# KiCad board temp sensor_panel.kicad_pcb (continued)
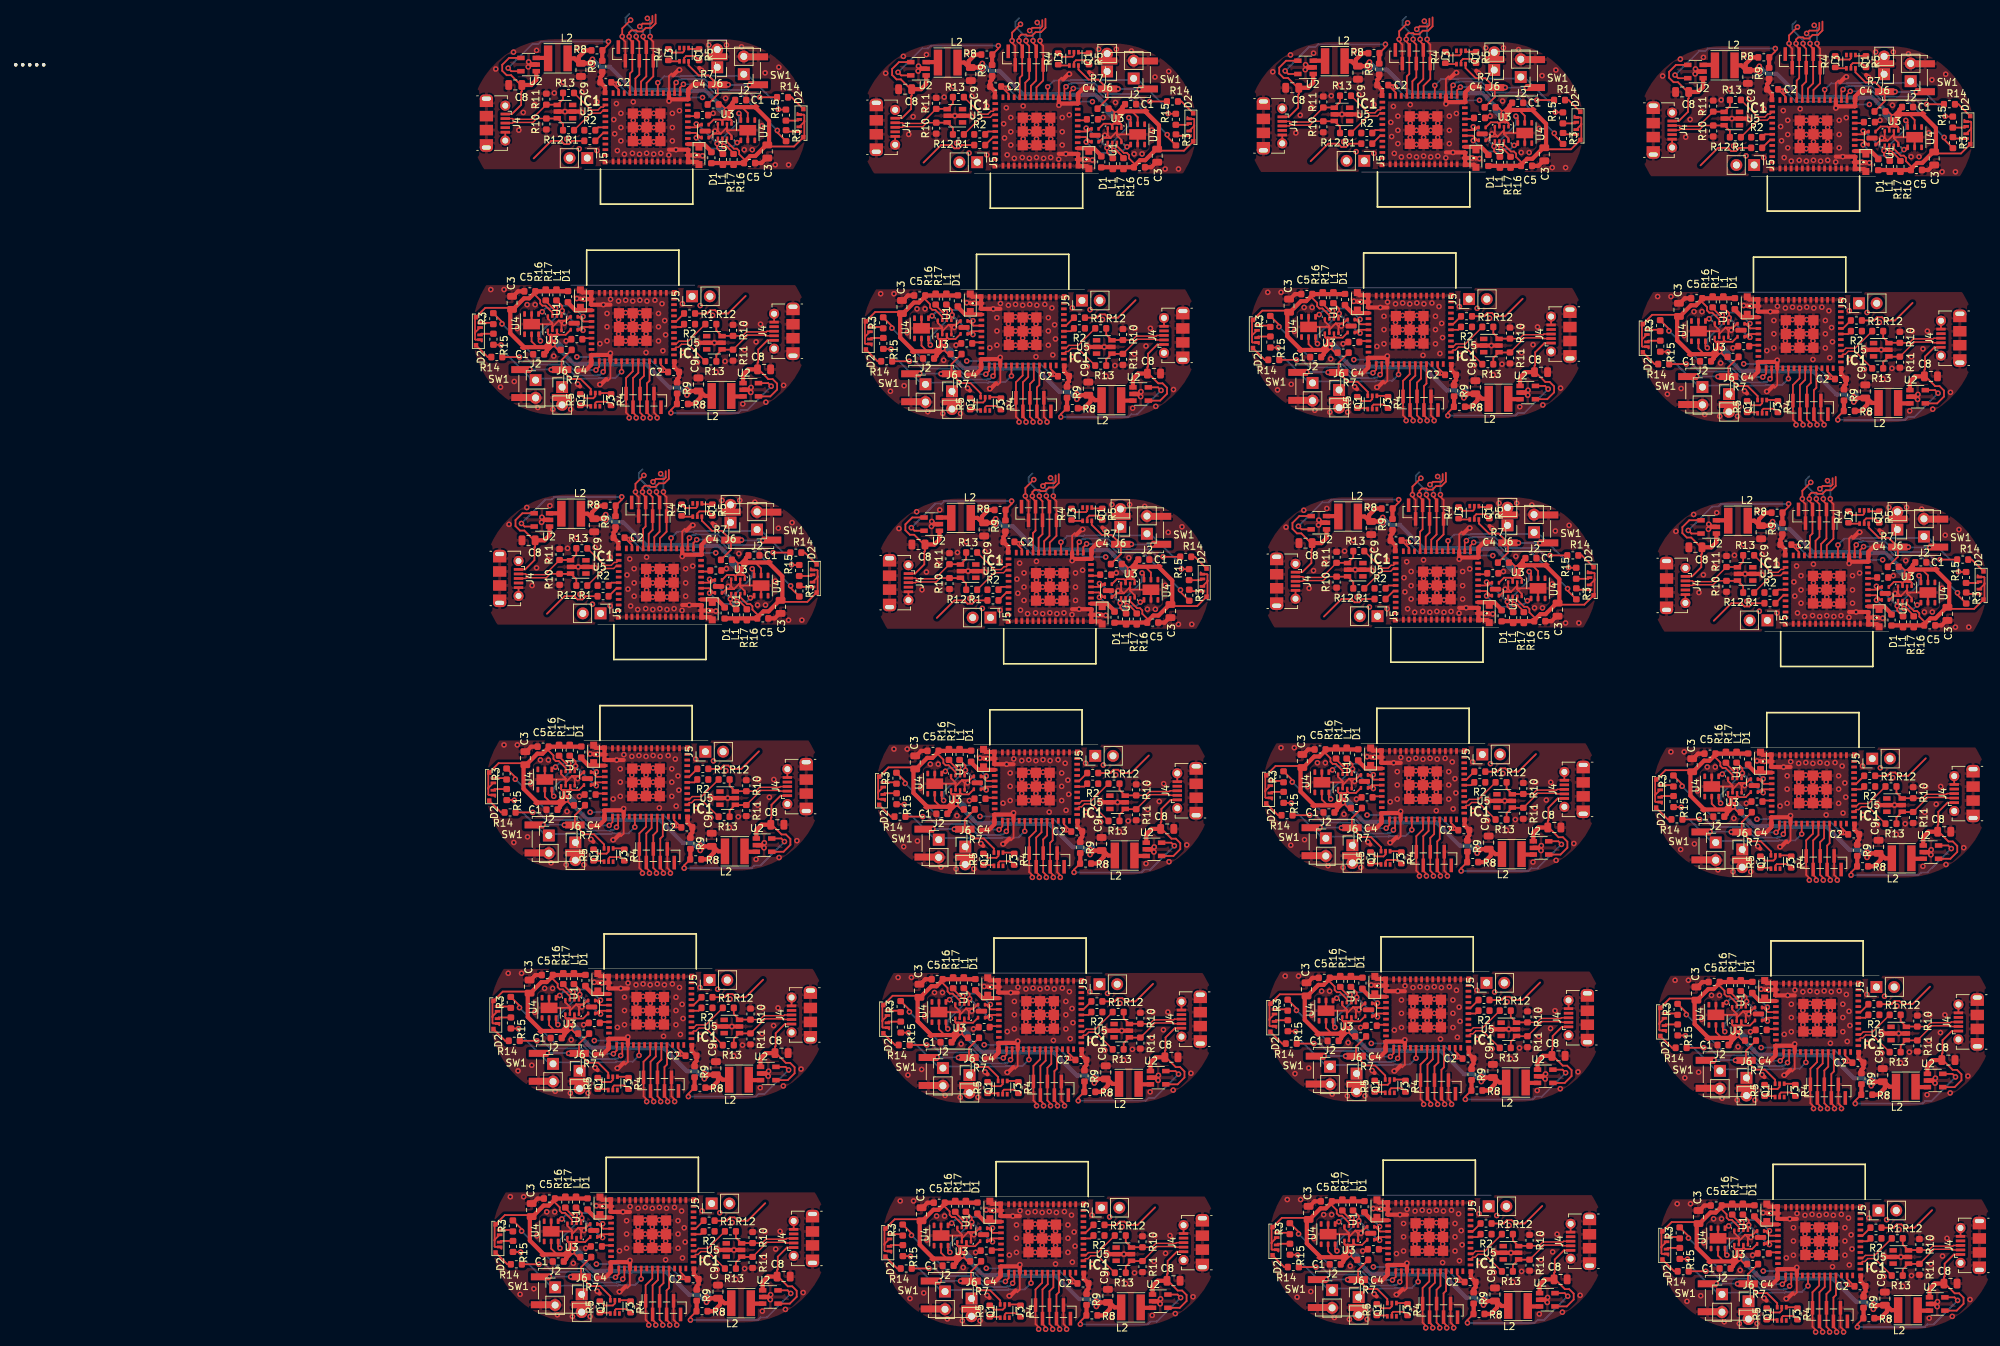
[diagram p0: board, top side]
## Routing (per net, layer and track width the routed paths; a pad name or vN(x,y) marks a point on that pad's centre or on a via; arc(x,y) is an arc through that point) (continued)
+5V: length 418.4
  Top w0.25: 27.5,114.96 U2.4 28.57,114.96 29.55,115.95 29.55,116.8 28.92,117.44 28.29,117.44 26.75,118.98 26.75,119.75 26.85,119.85 26.85,121.68 28.16,123 J4.1 ; -7.73,163.43 U2#2.4 -8.81,163.43 -9.79,162.45 -9.79,161.59 -9.15,160.95 -8.53,160.95 -6.98,159.41 -6.98,158.64 -7.08,158.54 -7.08,156.71 -8.4,155.4 J4#2.1 ; 83.3,114.36 U2#4.4 84.37,114.36 85.35,115.35 85.35,116.2 84.72,116.84 84.09,116.84 82.55,118.38 82.55,119.15 82.65,119.25 82.65,121.08 83.96,122.4 J4#4.1 ; 48.07,162.83 48.68,162.83 46.99,162.83 46.01,161.85 46.01,160.99 46.65,160.35 47.27,160.35 48.82,158.81 48.82,158.04 48.72,157.94 48.72,156.11 47.4,154.8 J4#3.1 ; 138.7,114.56 U2#6.4 139.77,114.56 140.75,115.55 140.75,116.4 140.12,117.04 139.49,117.04 137.95,118.58 137.95,119.35 138.05,119.45 138.05,121.28 139.36,122.6 J4#6.1 ; 103.47,163.03 104.08,163.03 102.39,163.03 101.41,162.05 101.41,161.19 102.05,160.55 102.67,160.55 104.22,159.01 104.22,158.24 104.12,158.14 104.12,156.31 102.8,155 J4#5.1 ; J4#8.1 195.16,122 193.85,120.68 193.85,118.85 193.75,118.75 193.75,117.98 195.29,116.44 195.92,116.44 196.55,115.8 196.55,114.95 195.57,113.96 U2#8.4 194.5,113.96 ; J4#7.1 158.6,154.4 159.92,155.71 159.92,157.54 160.02,157.64 160.02,158.41 158.47,159.95 157.85,159.95 157.21,160.59 157.21,161.45 158.19,162.43 U2#7.4 159.27,162.43 ; 29.4,49.76 U2#10.4 30.47,49.76 31.45,50.75 31.45,51.6 30.82,52.24 30.19,52.24 28.65,53.78 28.65,54.55 28.75,54.65 28.75,56.48 30.06,57.8 J4#10.1 ; -5.83,98.23 U2#9.4 -6.91,98.23 -7.89,97.25 -7.89,96.39 -7.25,95.75 -6.63,95.75 -5.08,94.21 -5.08,93.44 -5.18,93.34 -5.18,91.51 -6.5,90.2 J4#9.1 ; J4#12.1 85.86,57.2 84.55,55.88 84.55,54.05 84.45,53.95 84.45,53.18 85.99,51.64 86.62,51.64 87.25,51 87.25,50.15 86.27,49.16 84.58,49.16 85.2,49.16 ; J4#11.1 49.3,89.6 50.62,90.91 50.62,92.74 50.72,92.84 50.72,93.61 49.17,95.15 48.55,95.15 47.91,95.79 47.91,96.65 48.89,97.63 U2#12.4 49.97,97.63 ; 140.6,49.36 139.98,49.36 141.67,49.36 142.65,50.35 142.65,51.2 142.02,51.84 141.39,51.84 139.85,53.38 139.85,54.15 139.95,54.25 139.95,56.08 141.26,57.4 J4#14.1 ; 105.37,97.83 U2#14.4 104.29,97.83 103.31,96.85 103.31,95.99 103.95,95.35 104.57,95.35 106.12,93.81 106.12,93.04 106.02,92.94 106.02,91.11 104.7,89.8 J4#13.1 ; J4#16.1 197.06,56.8 195.75,55.48 195.75,53.65 195.65,53.55 195.65,52.78 197.19,51.24 197.82,51.24 198.45,50.6 198.45,49.75 197.47,48.76 U2#11.4 196.4,48.76 ; J4#15.1 160.5,89.2 161.82,90.51 161.82,92.34 161.92,92.44 161.92,93.21 160.37,94.75 159.75,94.75 159.11,95.39 159.11,96.25 160.09,97.23 U2#16.4 161.17,97.23 ; J4#20.1 86.46,24.5 85.15,23.18 85.15,21.35 85.05,21.25 85.05,20.48 86.59,18.94 87.22,18.94 87.85,18.3 87.85,17.45 86.87,16.46 U2#19.4 85.8,16.46 ; 141.2,16.66 U2#20.4 142.27,16.66 143.25,17.65 143.25,18.5 142.62,19.14 141.99,19.14 140.45,20.68 140.45,21.45 140.55,21.55 140.55,23.38 141.86,24.7 J4#18.1 ; J4#17.1 197.66,24.1 196.35,22.78 196.35,20.95 196.25,20.85 196.25,20.08 197.79,18.54 198.42,18.54 199.05,17.9 199.05,17.05 198.07,16.06 U2#18.4 197,16.06 ; 30,17.06 29.38,17.06 31.07,17.06 32.05,18.05 32.05,18.9 31.42,19.54 30.79,19.54 29.25,21.08 29.25,21.85 29.35,21.95 29.35,23.78 30.66,25.1 J4#19.1 ; 86.1,-15.54 U2#23.4 87.17,-15.54 88.15,-14.55 88.15,-13.7 87.52,-13.06 86.89,-13.06 85.35,-11.52 85.35,-10.75 85.45,-10.65 85.45,-8.82 86.76,-7.5 J4#24.1 ; J4#21.1 197.96,-7.9 196.65,-9.22 196.65,-11.05 196.55,-11.15 196.55,-11.92 198.09,-13.46 198.72,-13.46 199.35,-14.1 199.35,-14.95 198.37,-15.94 U2#22.4 197.3,-15.94 ; 30.3,-14.94 U2#21.4 31.37,-14.94 32.35,-13.95 32.35,-13.1 31.72,-12.46 31.09,-12.46 29.55,-10.92 29.55,-10.15 29.65,-10.05 29.65,-8.22 30.96,-6.9 J4#23.1 ; 141.5,-15.34 U2#24.4 142.57,-15.34 143.55,-14.35 143.55,-13.5 142.92,-12.86 142.29,-12.86 140.75,-11.32 140.75,-10.55 140.85,-10.45 140.85,-8.62 142.16,-7.3 J4#22.1
  Top w0.6: U2.1 24.68,118.12 25.4,118.84 C8.1 ; -4.92,161.53 -4.92,160.28 -5.64,159.56 C8#2.1 ; U2#4.1 80.48,117.52 81.2,118.23 C8#4.1 ; U2#3.1 50.88,159.68 50.16,158.96 C8#3.1 ; U2#6.1 135.88,117.72 136.6,118.44 C8#6.1 ; U2#5.1 106.28,159.88 105.56,159.16 C8#5.1 ; U2#8.1 191.68,117.12 192.4,117.83 C8#8.1 ; U2#7.1 162.08,159.28 161.36,158.56 C8#7.1 ; U2#10.1 26.58,52.92 27.3,53.63 C8#10.1 ; U2#9.1 -3.02,95.08 -3.74,94.36 C8#9.1 ; U2#13.1 82.38,52.32 83.1,53.03 C8#13.1 ; U2#12.1 52.78,94.48 52.06,93.76 C8#12.1 ; U2#15.1 137.78,52.52 138.5,53.23 C8#15.1 ; U2#14.1 108.18,94.68 107.46,93.96 C8#14.1 ; U2#11.1 193.58,51.92 194.3,52.63 C8#11.1 ; U2#16.1 163.98,94.08 163.26,93.36 C8#16.1 ; 27.18,18.96 27.18,20.22 27.9,20.94 C8#18.1 ; U2#19.1 82.98,19.62 83.7,20.34 C8#20.1 ; U2#20.1 138.38,19.82 139.1,20.53 C8#17.1 ; U2#18.1 194.18,19.22 194.9,19.94 C8#19.1 ; U2#24.1 138.68,-12.18 139.4,-11.47 C8#22.1 ; C8#24.1 84,-11.66 83.28,-12.38 U2#23.1 ; U2#21.1 27.48,-11.78 28.2,-11.06 C8#21.1 ; U2#22.1 194.48,-12.78 195.2,-12.06 C8#23.1
/3v3: length 115.3
  Top w0.6: D1.1 0.97,127.3 0.68,127.3 ; 0.68,127.3 IC1.3 ; 0.68,127.3 -0.38,128.36 L1.2 ; 19.08,151.09 IC1#2.3 ; 19.08,151.09 18.79,151.09 18.37,150.67 ; 19.08,151.09 20.14,150.03 L1#2.2 ; 56.48,126.7 IC1#4.3 ; 56.48,126.7 56.77,126.7 D1#4.1 ; 56.48,126.7 55.42,127.76 L1#4.2 ; D1#3.1 74.59,150.49 74.88,150.49 ; 74.88,150.49 IC1#3.3 ; 74.88,150.49 75.94,149.43 L1#3.2 ; 111.88,126.9 IC1#6.3 ; 111.88,126.9 112.17,126.9 D1#6.1 ; 111.88,126.9 110.82,127.96 L1#6.2 ; 129.57,150.27 129.99,150.69 130.28,150.69 ; 130.28,150.69 IC1#5.3 ; 130.28,150.69 131.34,149.63 L1#5.2 ; D1#8.1 167.97,126.3 167.68,126.3 ; 167.68,126.3 IC1#8.3 ; 167.68,126.3 166.62,127.36 L1#8.2 ; D1#7.1 185.79,150.09 186.08,150.09 ; 186.08,150.09 IC1#7.3 ; 186.08,150.09 187.14,149.03 L1#7.2 ; 2.58,62.1 IC1#10.3 ; 2.58,62.1 2.87,62.1 D1#10.1 ; 2.58,62.1 1.52,63.16 L1#10.2 ; D1#9.1 20.69,85.89 20.98,85.89 ; 20.98,85.89 IC1#9.3 ; 20.98,85.89 22.04,84.83 L1#9.2 ; D1#13.1 58.67,61.5 58.38,61.5 ; 58.38,61.5 IC1#13.3 ; 58.38,61.5 57.32,62.56 L1#14.2 ; D1#12.1 76.49,85.29 76.78,85.29 ; 76.78,85.29 IC1#12.3 ; 76.78,85.29 77.84,84.23 L1#13.2 ; 113.78,61.7 IC1#15.3 ; 113.78,61.7 114.07,61.7 D1#15.1 ; 113.78,61.7 112.72,62.76 L1#16.2 ; D1#14.1 131.89,85.49 132.18,85.49 ; 132.18,85.49 IC1#14.3 ; 132.18,85.49 133.25,84.43 L1#15.2 ; 169.58,61.1 IC1#11.3 ; 169.58,61.1 169.87,61.1 D1#11.1 ; 169.58,61.1 168.52,62.16 L1#11.2 ; D1#16.1 187.69,84.89 187.98,84.89 ; 187.98,84.89 IC1#16.3 ; 187.98,84.89 189.05,83.83 L1#12.2 ; D1#18.1 3.47,29.4 3.18,29.4 ; 3.18,29.4 IC1#18.3 ; 3.18,29.4 2.12,30.46 L1#19.2 ; D1#20.1 59.27,28.8 58.98,28.8 ; 58.98,28.8 IC1#20.3 ; 58.98,28.8 57.92,29.86 L1#20.2 ; 114.38,29 IC1#17.3 ; 114.38,29 113.32,30.06 L1#17.2 ; 114.38,29 114.67,29 D1#17.1 ; 170.18,28.4 170.47,28.4 D1#19.1 ; 170.18,28.4 IC1#19.3 ; 170.18,28.4 169.12,29.46 L1#18.2 ; 114.68,-3 IC1#23.3 ; 114.68,-3 114.97,-3 D1#21.1 ; 114.68,-3 113.62,-1.94 L1#23.2 ; 59.28,-3.2 58.22,-2.14 L1#24.2 ; 59.28,-3.2 59.57,-3.2 D1#24.1 ; 59.28,-3.2 IC1#24.3 ; 3.48,-2.6 IC1#21.3 ; 3.48,-2.6 3.77,-2.6 D1#22.1 ; 3.48,-2.6 2.42,-1.54 L1#21.2 ; 170.48,-3.6 170.77,-3.6 D1#23.1 ; 170.48,-3.6 IC1#22.3 ; 170.48,-3.6 169.42,-2.54 L1#22.2
GND: length 1189.3
  Top w0.25: 12.38,112.2 11.93,112.65 J3.5 ; -2.61,125.38 -2.68,125.31 U4.7 U4.2 ; -2.61,125.38 U3.7 -2.61,124.91 -1.7,125.82 ; -2.61,125.38 -2.61,125.45 -3.26,126.1 U3.1 ; 5.69,119.74 5.69,117.57 5.31,117.18 ; U1.4 -0.07,126.36 -0.62,125.82 -0.76,125.82 ; U3.5 -1.31,125.43 -1.7,125.82 ; -1.7,125.82 -0.76,125.82 ; -0.76,125.82 -0.76,125.56 v1(-0.89,125.44) ; J4.5 J4.6 ; J3#2.5 7.83,165.74 7.38,166.19 ; 14.46,161.21 14.07,160.83 14.07,158.65 ; 21.47,152.57 20.53,152.57 ; 21.47,152.57 21.07,152.96 U3#2.5 ; 21.47,152.57 22.38,153.48 U3#2.7 22.38,153.01 ; 20.53,152.57 20.53,152.83 v1(20.65,152.95) ; 20.53,152.57 20.38,152.57 19.84,152.03 U1#2.4 ; U3#2.1 23.02,152.29 22.38,152.94 22.38,153.01 ; U4#2.2 U4#2.7 22.45,153.08 22.38,153.01 ; J4#2.5 J4#2.6 ; J3#4.5 67.73,112.05 68.18,111.6 ; 61.11,116.58 61.49,116.97 61.49,119.14 ; 54.1,125.22 55.04,125.22 ; 54.1,125.22 54.49,124.83 U3#4.5 ; 54.1,125.22 53.19,124.31 U3#4.7 53.19,124.78 ; 55.04,125.22 55.04,124.96 v1(54.91,124.84) ; 55.04,125.22 55.18,125.22 55.73,125.76 U1#4.4 ; U3#4.1 52.54,125.5 53.19,124.85 53.19,124.78 ; U4#4.2 U4#4.7 53.12,124.71 53.19,124.78 ; J4#4.5 J4#4.6 ; 77.27,151.97 76.33,151.97 ; 77.27,151.97 76.88,152.36 U3#3.5 ; 77.27,151.97 78.17,152.88 U3#3.7 78.17,152.41 ; 76.33,151.97 76.33,152.23 v1(76.45,152.35) ; 76.33,151.97 76.18,151.97 75.64,151.43 U1#3.4 ; U4#3.2 U4#3.7 78.25,152.48 78.17,152.41 ; 69.87,158.05 69.87,160.23 70.26,160.61 ; 78.83,151.33 78.83,151.69 78.17,152.34 78.17,152.41 ; J4#3.5 J4#3.6 ; 63.63,162.43 63.63,165.14 63.18,165.59 ; v1(63.18,165.9) 63.18,167.05 v1(64.38,168.25) ; J3#6.5 123.13,112.25 123.58,111.8 ; 116.51,116.78 116.89,117.17 116.89,119.34 ; 109.5,125.42 110.44,125.42 ; 109.5,125.42 109.89,125.03 U3#6.5 ; 109.5,125.42 108.59,124.51 U3#6.7 108.59,124.98 ; 110.44,125.42 110.44,125.16 v1(110.31,125.04) ; 110.44,125.42 110.58,125.42 111.13,125.96 U1#6.4 ; U3#6.1 107.94,125.7 108.59,125.05 108.59,124.98 ; U4#6.2 U4#6.7 108.52,124.91 108.59,124.98 ; J4#6.5 J4#6.6 ; 132.67,152.17 131.73,152.17 ; 132.67,152.17 132.27,152.56 U3#5.5 ; 132.67,152.17 133.57,153.08 U3#5.7 133.57,152.61 ; 131.73,152.17 131.73,152.43 v1(131.85,152.55) ; 131.73,152.17 131.58,152.17 131.04,151.63 U1#5.4 ; U4#5.2 U4#5.7 133.65,152.68 133.57,152.61 ; 125.27,158.25 125.27,160.43 125.66,160.81 ; 134.23,151.53 134.23,151.89 133.57,152.54 133.57,152.61 ; J4#5.5 J4#5.6 ; 119.03,162.63 119.03,165.34 118.58,165.79 ; J3#8.5 178.93,111.65 179.38,111.2 ; 166.24,124.82 166.24,124.56 v1(166.11,124.44) ; 166.24,124.82 165.3,124.82 ; 166.24,124.82 166.38,124.82 166.93,125.36 U1#8.4 ; U4#8.2 U4#8.7 164.32,124.31 164.39,124.38 ; 172.31,116.18 172.69,116.57 172.69,118.74 ; U3#8.1 163.74,125.1 164.39,124.45 164.39,124.38 ; 165.3,124.82 165.69,124.43 165.69,123.41 ; 165.3,124.82 164.39,123.91 U3#8.7 164.39,124.38 ; J4#8.5 J4#8.6 ; 181.07,157.65 181.07,159.83 181.46,160.21 ; 187.53,151.57 187.53,151.83 v1(187.65,151.95) ; 187.53,151.57 188.47,151.57 ; 187.53,151.57 187.38,151.57 186.84,151.03 U1#7.4 ; 188.47,151.57 188.07,151.96 U3#7.5 ; 188.47,151.57 189.38,152.48 U3#7.7 189.38,152.01 ; U4#7.2 U4#7.7 189.45,152.08 189.38,152.01 ; 189.38,152.01 189.38,151.94 190.02,151.29 U3#7.1 ; J4#7.5 J4#7.6 ; 174.38,165.19 174.83,164.74 J3#7.5 ; v1(174.38,165.5) 174.38,166.65 v1(175.58,167.85) ; v1(118.58,166.1) 118.58,167.25 v1(119.78,168.45) ; J3#10.5 13.83,47.45 14.28,47 ; 7.21,51.98 7.59,52.37 7.59,54.54 ; 0.2,60.62 1.14,60.62 ; 0.2,60.62 0.59,60.23 U3#10.5 ; 0.2,60.62 -0.71,59.71 U3#10.7 -0.71,60.18 ; 1.14,60.62 1.14,60.36 v1(1.01,60.24) ; 1.14,60.62 1.28,60.62 1.83,61.16 U1#10.4 ; U3#10.1 -1.36,60.9 -0.71,60.25 -0.71,60.18 ; U4#10.2 U4#10.7 -0.78,60.11 -0.71,60.18 ; J4#10.5 J4#10.6 ; 23.37,87.37 22.43,87.37 ; 23.37,87.37 22.97,87.76 U3#9.5 ; 23.37,87.37 24.27,88.28 U3#9.7 24.27,87.81 ; 22.43,87.37 22.43,87.63 v1(22.55,87.75) ; 22.43,87.37 22.28,87.37 21.74,86.83 U1#9.4 ; U4#9.2 U4#9.7 24.35,87.88 24.27,87.81 ; 15.97,93.45 15.97,95.63 16.36,96.01 ; U3#9.1 24.92,87.09 24.27,87.74 24.27,87.81 ; J4#9.5 J4#9.6 ; J3#9.5 9.73,100.54 9.28,100.99 ; J3#13.5 69.63,46.85 70.08,46.4 ; 56.94,60.02 56.94,59.76 v1(56.81,59.64) ; 56.94,60.02 56,60.02 ; 56.94,60.02 57.08,60.02 57.63,60.56 U1#14.4 ; U4#13.2 U4#13.7 55.02,59.51 55.09,59.58 ; 63.01,51.38 63.39,51.77 63.39,53.94 ; 54.44,60.66 54.44,60.3 55.09,59.65 55.09,59.58 ; 56,60.02 56.39,59.63 U3#14.5 ; 56,60.02 55.09,59.11 U3#14.7 55.09,59.58 ; J4#12.5 J4#12.6 ; 71.77,92.85 71.77,95.03 72.16,95.41 ; 78.23,86.77 78.23,87.03 v1(78.35,87.15) ; 78.23,86.77 79.17,86.77 ; 78.23,86.77 78.08,86.77 77.54,86.23 U1#13.4 ; 79.17,86.77 78.77,87.16 78.77,88.18 ; 79.17,86.77 80.08,87.68 U3#13.7 80.08,87.21 ; U4#12.2 U4#12.7 80.15,87.28 80.08,87.21 ; 80.08,87.21 80.08,87.14 80.72,86.49 U3#13.1 ; J4#11.5 J4#11.6 ; 65.08,100.39 65.53,99.94 J3#12.5 ; v1(65.08,100.7) 65.08,101.85 v1(66.28,103.05) ; 125.48,46.6 125.03,47.05 J3#15.5 ; 111.4,60.22 112.34,60.22 ; 111.4,60.22 111.79,59.83 U3#16.5 ; 111.4,60.22 110.49,59.31 U3#16.7 110.49,59.78 ; 112.34,60.22 112.34,59.96 v1(112.21,59.84) ; 112.34,60.22 112.48,60.22 113.03,60.76 U1#16.4 ; 109.84,60.86 109.84,60.5 110.49,59.85 110.49,59.78 ; U4#15.2 U4#15.7 110.42,59.71 110.49,59.78 ; 118.41,51.58 118.79,51.97 118.79,54.14 ; J4#14.5 J4#14.6 ; 127.17,93.05 127.17,95.23 127.56,95.61 ; U4#14.2 U4#14.7 135.55,87.48 135.48,87.41 ; 134.57,86.97 134.18,87.36 U3#15.5 ; 134.57,86.97 133.63,86.97 ; 134.57,86.97 135.48,87.88 U3#15.7 135.48,87.41 ; 133.63,86.97 133.63,87.23 v1(133.75,87.35) ; 133.63,86.97 133.48,86.97 132.94,86.43 U1#15.4 ; U3#15.1 136.12,86.69 135.48,87.34 135.48,87.41 ; J4#13.5 J4#13.6 ; J3#14.5 120.93,100.14 120.48,100.59 ; J3#11.5 180.83,46.45 181.28,46 ; 168.14,59.62 168.14,59.36 v1(168.01,59.24) ; 168.14,59.62 167.2,59.62 ; 168.14,59.62 168.28,59.62 168.83,60.16 U1#12.4 ; U4#11.2 U4#11.7 166.22,59.11 166.29,59.18 ; 167.2,59.62 167.59,59.23 U3#12.5 ; 167.2,59.62 166.29,58.71 U3#12.7 166.29,59.18 ; U3#12.1 165.64,59.9 166.29,59.25 166.29,59.18 ; 174.21,50.98 174.59,51.37 174.59,53.54 ; J4#16.5 J4#16.6 ; 191.27,86.81 191.35,86.88 U4#16.7 U4#16.2 ; 191.27,86.81 U3#11.7 191.27,87.28 190.37,86.37 ; 191.27,86.81 191.27,86.74 191.93,86.09 U3#11.1 ; 189.43,86.37 189.43,86.63 v1(189.55,86.75) ; 189.43,86.37 190.37,86.37 ; 189.43,86.37 189.28,86.37 188.74,85.83 U1#11.4 ; 182.97,92.45 182.97,94.63 183.36,95.01 ; 190.37,86.37 189.98,86.76 U3#11.5 ; J4#15.5 J4#15.6 ; 176.28,99.99 176.73,99.54 J3#16.5 ; v1(120.48,100.9) 120.48,102.05 v1(121.68,103.25) ; v1(176.28,100.3) 176.28,101.45 v1(177.48,102.65) ; v1(9.28,101.3) 9.28,102.45 v1(10.48,103.65) ; J3#18.5 14.43,14.75 14.88,14.3 ; 0.8,27.92 1.74,27.92 ; 0.8,27.92 1.19,27.53 U3#18.5 ; 0.8,27.92 -0.11,27.01 U3#18.7 -0.11,27.48 ; 1.74,27.92 1.74,27.66 v1(1.61,27.54) ; 1.74,27.92 1.88,27.92 2.43,28.46 U1#18.4 ; U4#18.2 U4#18.7 -0.18,27.41 -0.11,27.48 ; 7.81,19.28 8.19,19.67 8.19,21.84 ; U3#18.1 -0.76,28.2 -0.11,27.55 -0.11,27.48 ; J4#19.5 J4#19.6 ; U4#20.2 U4#20.7 55.62,26.81 55.69,26.88 ; 57.54,27.32 57.54,27.06 v1(57.41,26.94) ; 57.54,27.32 56.6,27.32 ; 57.54,27.32 57.68,27.32 58.23,27.86 U1#20.4 ; U3#20.1 55.04,27.6 55.69,26.95 55.69,26.88 ; 63.61,18.68 63.99,19.07 63.99,21.24 ; 55.69,26.88 U3#20.7 55.69,26.41 56.6,27.32 ; 56.6,27.32 56.99,26.93 U3#20.5 ; J4#20.5 J4#20.6 ; 126.08,13.9 125.63,14.35 J3#17.5 ; 112,27.52 112.39,27.13 U3#17.5 ; 112,27.52 112.94,27.52 ; 112,27.52 111.09,26.61 U3#17.7 111.09,27.08 ; 112.94,27.52 112.94,27.26 v1(112.81,27.14) ; 112.94,27.52 113.08,27.52 113.63,28.06 U1#17.4 ; 111.09,27.08 111.09,27.15 110.44,27.8 U3#17.1 ; 111.09,27.08 111.02,27.01 U4#17.7 U4#17.2 ; 119.01,18.88 119.39,19.27 119.39,21.44 ; J4#18.5 J4#18.6 ; J3#19.5 181.43,13.75 181.88,13.3 ; 168.74,26.92 168.74,26.66 v1(168.61,26.54) ; 168.74,26.92 167.8,26.92 ; 168.74,26.92 168.88,26.92 169.43,27.46 U1#19.4 ; U4#19.2 U4#19.7 166.82,26.41 166.89,26.48 ; 167.8,26.92 168.19,26.53 168.19,25.51 ; 167.8,26.92 166.89,26.01 U3#19.7 166.89,26.48 ; U3#19.1 166.24,27.2 166.89,26.55 166.89,26.48 ; 174.81,18.28 175.19,18.67 175.19,20.84 ; J4#17.5 J4#17.6 ; J3#20.5 70.23,14.15 70.68,13.7 ; 182.18,-18.7 181.73,-18.25 J3#24.5 ; 119.69,-10.56 119.69,-12.73 119.31,-13.12 ; 112.69,-5.89 112.69,-4.87 112.3,-4.48 ; v1(113.11,-4.86) 113.24,-4.74 113.24,-4.48 ; 113.24,-4.48 113.38,-4.48 113.93,-3.94 U1#22.4 ; 113.24,-4.48 112.3,-4.48 ; 112.3,-4.48 111.39,-5.39 U3#22.7 111.39,-4.92 ; 111.39,-4.92 111.32,-4.99 U4#22.7 U4#22.2 ; 111.39,-4.92 111.39,-4.85 110.74,-4.2 U3#22.1 ; J3#22.5 125.93,-17.65 126.38,-18.1 ; J3#21.5 14.73,-17.25 15.18,-17.7 ; 0.19,-4.52 0.12,-4.59 U4#23.7 U4#23.2 ; 0.19,-4.52 0.19,-4.45 -0.46,-3.8 U3#21.1 ; 0.19,-4.52 U3#21.7 0.19,-4.99 1.1,-4.08 ; 2.04,-4.08 2.18,-4.08 2.73,-3.54 U1#21.4 ; 2.04,-4.08 2.04,-4.34 v1(1.91,-4.46) ; 2.04,-4.08 1.1,-4.08 ; 1.1,-4.08 1.49,-4.47 U3#21.5 ; 8.11,-12.72 8.49,-12.33 8.49,-10.16 ; J4#23.5 J4#23.6 ; 55.99,-5.12 55.92,-5.19 U4#24.7 U4#24.2 ; 55.99,-5.12 55.99,-5.05 55.34,-4.4 U3#24.1 ; 55.99,-5.12 U3#24.7 55.99,-5.59 56.9,-4.68 ; 63.91,-13.32 64.29,-12.93 64.29,-10.76 ; 57.84,-4.68 57.84,-4.94 v1(57.71,-5.06) ; 57.84,-4.68 56.9,-4.68 ; 57.84,-4.68 57.98,-4.68 58.53,-4.14 U1#24.4 ; 56.9,-4.68 57.29,-5.07 57.29,-6.09 ; J4#24.5 J4#24.6 ; 168.1,-5.08 169.04,-5.08 ; 168.1,-5.08 168.49,-5.47 U3#23.5 ; 168.1,-5.08 167.19,-5.99 U3#23.7 167.19,-5.52 ; 169.04,-5.08 169.04,-5.34 v1(168.91,-5.46) ; 169.04,-5.08 169.18,-5.08 169.73,-4.54 U1#23.4 ; U4#21.2 U4#21.7 167.12,-5.59 167.19,-5.52 ; U3#23.1 166.54,-4.8 167.19,-5.45 167.19,-5.52 ; 175.11,-13.72 175.49,-13.33 175.49,-11.16 ; J4#21.5 J4#21.6 ; J3#23.5 70.53,-17.85 70.98,-18.3 ; J4#22.5 J4#22.6 ; v1(8.58,168.85) 7.38,167.65 v1(7.38,166.5)
  Top w0.6: 15.21,116.93 R9.1 15.24,117.44 15.52,117.72 C2.2 14.84,119.13 IC1.51 ; v1(18.16,122.77) 18.29,122.64 U5.5 ; v1(25.78,115.53) 25.4,115.91 U2.2 25.49,115.91 v1(25.83,116.25) ; 5.69,128.1 v1(4.69,128.1) IC1.2 2.94,128.15 IC1.53 1.69,129.85 1.4,130.14 ; 1.36,116.4 v1(1.01,116.74) ; 1.02,118.68 2.13,118.68 2.94,119.49 IC1.52 2.94,120.85 IC1.11 5.44,120.9 v1(5.69,121.15) IC1.14 ; -8.26,129.3 -7.54,130.01 -6.5,130.01 ; 1.4,128.97 1.47,128.9 v1(1.93,128.9) IC1.1 ; 4.06,116.68 4.18,116.68 v1(4.19,116.67) 4.31,116.67 5.08,117.44 ; v1(-6.06,162.14) -5.73,162.48 -4.92,162.48 -5.64,162.48 v1(-6.02,162.86) ; 18.37,148.25 18.08,148.54 IC1#2.53 16.82,150.24 IC1#2.2 v1(15.07,150.29) 14.07,150.29 ; IC1#2.51 4.92,159.26 C2#2.2 4.24,160.67 4.52,160.95 R9#2.1 4.55,161.46 ; v1(1.6,155.62) 1.48,155.75 U5#2.5 ; 18.37,149.42 18.29,149.49 v1(17.83,149.49) IC1#2.1 ; 18.75,159.71 17.63,159.71 16.82,158.9 IC1#2.52 16.82,157.54 IC1#2.11 14.32,157.49 v1(14.07,157.25) IC1#2.14 ; 26.27,148.38 27.31,148.38 28.02,149.09 ; 18.41,161.99 v1(18.75,161.65) ; 14.68,160.95 15.45,161.72 v1(15.57,161.72) 15.58,161.72 15.7,161.72 ; v1(81.63,115.65) 81.29,115.31 U2#4.2 81.2,115.31 v1(81.58,114.93) ; 57.2,129.54 57.49,129.25 IC1#4.53 58.74,127.55 IC1#4.2 v1(60.49,127.5) 61.49,127.5 ; IC1#4.51 70.64,118.53 C2#4.2 71.32,117.12 71.04,116.84 R9#4.1 71.01,116.33 ; v1(73.96,122.17) 74.09,122.04 U5#4.5 ; 57.2,128.38 57.27,128.3 v1(57.73,128.3) IC1#4.1 ; 56.82,118.08 57.93,118.08 58.74,118.89 IC1#4.52 58.74,120.25 IC1#4.11 61.24,120.3 v1(61.49,120.55) IC1#4.14 ; 49.3,129.41 48.26,129.41 47.55,128.7 ; 57.16,115.8 v1(56.81,116.14) ; 60.88,116.84 60.11,116.07 v1(59.99,116.07) 59.98,116.08 59.86,116.08 ; v1(57.4,155.02) 57.28,155.15 U5#3.5 ; v1(49.74,161.54) 50.07,161.88 U2#3.2 50.16,161.88 v1(49.78,162.26) ; 74.17,148.82 74.09,148.89 v1(73.63,148.89) IC1#3.1 ; 74.17,147.65 73.88,147.94 IC1#3.53 72.62,149.64 IC1#3.2 v1(70.87,149.69) 69.87,149.69 ; 74.55,159.11 73.43,159.11 72.62,158.3 IC1#3.52 72.62,156.94 IC1#3.11 70.12,156.89 v1(69.87,156.65) IC1#3.14 ; 82.07,147.78 83.11,147.78 83.82,148.49 ; IC1#3.51 60.72,158.66 C2#3.2 60.04,160.07 60.32,160.35 R9#3.1 60.35,160.86 ; 70.48,160.35 71.25,161.12 v1(71.37,161.12) 71.38,161.12 71.5,161.12 ; 74.21,161.39 v1(74.55,161.05) ; v1(137.03,115.85) 136.69,115.51 U2#6.2 136.6,115.51 v1(136.98,115.13) ; 112.6,129.74 112.89,129.45 IC1#6.53 114.14,127.75 IC1#6.2 v1(115.89,127.7) 116.89,127.7 ; IC1#6.51 126.04,118.73 C2#6.2 126.72,117.32 126.44,117.04 R9#6.1 126.41,116.53 ; v1(129.36,122.37) 129.49,122.25 U5#6.5 ; 112.6,128.57 112.67,128.5 v1(113.14,128.5) IC1#6.1 ; 112.22,118.28 113.33,118.28 114.14,119.09 IC1#6.52 114.14,120.45 IC1#6.11 116.64,120.5 v1(116.89,120.75) IC1#6.14 ; 104.7,129.61 103.66,129.61 102.95,128.9 ; 112.56,116 v1(112.21,116.34) ; 116.28,117.04 115.51,116.27 v1(115.39,116.27) 115.38,116.28 115.26,116.28 ; v1(112.8,155.22) 112.68,155.35 U5#5.5 ; v1(105.14,161.74) 105.47,162.08 U2#5.2 105.56,162.08 v1(105.18,162.46) ; 129.57,149.02 129.49,149.09 v1(129.03,149.09) IC1#5.1 ; 129.57,147.85 129.28,148.14 IC1#5.53 128.02,149.84 IC1#5.2 v1(126.27,149.89) 125.27,149.89 ; 129.95,159.31 128.83,159.31 128.02,158.5 IC1#5.52 128.02,157.14 IC1#5.11 125.52,157.09 v1(125.27,156.85) IC1#5.14 ; 137.47,147.98 138.51,147.98 139.22,148.69 ; IC1#5.51 116.12,158.86 C2#5.2 115.44,160.27 115.72,160.55 R9#5.1 115.75,161.06 ; 125.88,160.55 126.65,161.32 v1(126.77,161.32) 126.78,161.32 126.9,161.32 ; 129.61,161.59 v1(129.95,161.25) ; IC1#8.51 181.84,118.13 C2#8.2 182.52,116.72 182.24,116.44 R9#8.1 182.21,115.93 ; v1(185.16,121.77) 185.29,121.64 U5#7.5 ; v1(192.78,114.53) 192.4,114.91 U2#8.2 192.49,114.91 v1(192.83,115.25) ; 168.4,129.14 168.69,128.85 IC1#8.53 169.94,127.15 IC1#8.2 v1(171.69,127.1) 172.69,127.1 ; 168.4,127.97 168.47,127.9 v1(168.94,127.9) IC1#8.1 ; 172.08,116.44 171.31,115.67 v1(171.19,115.67) 171.18,115.68 171.06,115.68 ; 168.02,117.68 169.13,117.68 169.94,118.49 IC1#8.52 169.94,119.85 IC1#8.11 172.44,119.9 v1(172.69,120.15) IC1#8.14 ; 158.75,128.3 159.46,129.01 160.5,129.01 ; 168.36,115.4 v1(168.01,115.74) ; U5#8.5 168.48,154.75 v1(168.6,154.62) ; IC1#7.1 v1(184.83,148.49) 185.29,148.49 185.37,148.42 ; 185.37,147.25 185.08,147.54 IC1#7.53 183.82,149.24 IC1#7.2 v1(182.07,149.29) 181.07,149.29 ; 185.75,158.71 184.63,158.71 183.82,157.9 IC1#7.52 183.82,156.54 IC1#7.11 181.32,156.49 v1(181.07,156.25) IC1#7.14 ; v1(160.98,161.86) 161.36,161.48 U2#7.2 161.27,161.48 v1(160.94,161.14) ; 193.27,147.38 194.31,147.38 195.02,148.09 ; 171.55,160.46 R9#7.1 171.52,159.95 171.24,159.67 C2#7.2 171.92,158.26 IC1#7.51 ; 181.68,159.95 182.45,160.72 v1(182.57,160.72) 182.58,160.72 182.7,160.72 ; 185.41,160.99 v1(185.75,160.65) ; v1(27.73,51.05) 27.39,50.71 U2#10.2 27.3,50.71 v1(27.68,50.33) ; 3.3,64.94 3.59,64.65 IC1#10.53 4.84,62.95 IC1#10.2 v1(6.59,62.9) 7.59,62.9 ; IC1#10.51 16.74,53.93 C2#10.2 17.42,52.52 17.14,52.24 R9#10.1 17.11,51.73 ; v1(20.06,57.57) 20.19,57.44 U5#10.5 ; 3.3,63.77 3.37,63.7 v1(3.83,63.7) IC1#10.1 ; 2.92,53.48 4.03,53.48 4.84,54.29 IC1#10.52 4.84,55.65 IC1#10.11 7.34,55.7 v1(7.59,55.95) IC1#10.14 ; -4.6,64.81 -5.64,64.81 -6.36,64.1 ; 3.26,51.2 v1(2.91,51.54) ; 6.98,52.24 6.21,51.47 v1(6.09,51.47) 6.08,51.48 5.96,51.48 ; v1(3.5,90.42) 3.38,90.55 U5#9.5 ; v1(-4.16,96.94) -3.83,97.28 U2#9.2 -3.74,97.28 v1(-4.12,97.66) ; 20.27,84.22 20.19,84.29 v1(19.73,84.29) IC1#9.1 ; 20.27,83.05 19.98,83.34 IC1#9.53 18.72,85.04 IC1#9.2 v1(16.97,85.09) 15.97,85.09 ; 20.65,94.51 19.53,94.51 18.72,93.7 IC1#9.52 18.72,92.34 IC1#9.11 16.22,92.29 v1(15.97,92.05) IC1#9.14 ; 28.17,83.18 29.21,83.18 29.92,83.89 ; IC1#9.51 6.82,94.06 C2#9.2 6.14,95.47 6.42,95.75 R9#9.1 6.45,96.26 ; 16.58,95.75 17.35,96.52 v1(17.47,96.52) 17.48,96.52 17.6,96.52 ; 20.31,96.79 v1(20.65,96.45) ; IC1#13.51 72.54,53.33 C2#13.2 73.22,51.92 72.94,51.64 R9#13.1 72.91,51.13 ; v1(75.86,56.97) 75.99,56.84 U5#13.5 ; v1(83.48,49.73) 83.1,50.11 U2#13.2 83.19,50.11 v1(83.53,50.45) ; 59.1,64.34 59.39,64.05 IC1#13.53 60.64,62.35 IC1#13.2 v1(62.39,62.3) 63.39,62.3 ; 59.1,63.17 59.17,63.1 v1(59.63,63.1) IC1#13.1 ; 62.78,51.64 62.01,50.87 v1(61.89,50.87) 61.88,50.88 61.76,50.88 ; 58.72,52.88 59.83,52.88 60.64,53.69 IC1#13.52 60.64,55.05 IC1#13.11 63.14,55.1 v1(63.39,55.35) IC1#13.14 ; 49.44,63.5 50.16,64.21 51.2,64.21 ; 59.06,50.6 v1(58.71,50.94) ; U5#14.5 59.18,89.95 v1(59.3,89.82) ; IC1#12.1 v1(75.53,83.69) 75.99,83.69 76.07,83.62 ; 76.07,82.45 75.78,82.74 IC1#12.53 74.52,84.44 IC1#12.2 v1(72.77,84.49) 71.77,84.49 ; 76.45,93.91 75.33,93.91 74.52,93.1 IC1#12.52 74.52,91.74 IC1#12.11 72.02,91.69 v1(71.77,91.45) IC1#12.14 ; v1(51.68,97.06) 52.06,96.68 U2#12.2 51.97,96.68 v1(51.64,96.34) ; 83.97,82.58 85.01,82.58 85.72,83.29 ; 62.25,95.66 R9#12.1 62.22,95.15 61.94,94.87 C2#12.2 62.62,93.46 IC1#12.51 ; 72.38,95.15 73.15,95.92 v1(73.27,95.92) 73.28,95.92 73.4,95.92 ; 76.11,96.19 v1(76.45,95.85) ; v1(131.26,57.17) 131.39,57.05 U5#16.5 ; IC1#15.51 127.94,53.53 C2#15.2 128.62,52.12 128.34,51.84 R9#15.1 128.31,51.33 ; 114.5,64.54 114.79,64.25 IC1#15.53 116.04,62.55 IC1#15.2 v1(117.79,62.5) 118.79,62.5 ; v1(138.93,50.65) 138.59,50.31 U2#15.2 138.5,50.31 v1(138.88,49.93) ; 114.5,63.38 114.57,63.3 v1(115.03,63.3) IC1#15.1 ; 114.12,53.08 115.23,53.08 116.04,53.89 IC1#15.52 116.04,55.25 IC1#15.11 118.54,55.3 v1(118.79,55.55) IC1#15.14 ; 114.46,50.8 v1(114.11,51.14) ; 104.84,63.7 105.56,64.41 106.6,64.41 ; 118.18,51.84 117.41,51.07 v1(117.29,51.07) 117.28,51.08 117.16,51.08 ; 131.47,82.65 131.18,82.94 IC1#14.53 129.92,84.64 IC1#14.2 v1(128.17,84.69) 127.17,84.69 ; U5#15.5 114.58,90.15 v1(114.7,90.02) ; 131.85,94.11 130.73,94.11 129.92,93.3 IC1#14.52 129.92,91.94 IC1#14.11 127.42,91.89 v1(127.17,91.65) IC1#14.14 ; IC1#14.1 v1(130.93,83.89) 131.39,83.89 131.47,83.82 ; v1(107.04,96.54) 107.37,96.88 U2#14.2 107.46,96.88 v1(107.08,97.26) ; 139.37,82.78 140.41,82.78 141.12,83.49 ; 127.78,95.35 128.55,96.12 v1(128.67,96.12) 128.68,96.12 128.8,96.12 ; 117.65,95.86 R9#14.1 117.62,95.35 117.34,95.07 C2#14.2 118.02,93.66 IC1#14.51 ; 131.51,96.39 v1(131.85,96.05) ; U5#11.5 187.19,56.44 v1(187.06,56.57) ; IC1#11.51 183.74,52.93 C2#11.2 184.42,51.52 184.14,51.24 R9#11.1 184.11,50.73 ; 170.3,63.94 170.59,63.65 IC1#11.53 171.84,61.95 IC1#11.2 v1(173.59,61.9) 174.59,61.9 ; v1(194.68,49.33) 194.3,49.71 U2#11.2 194.39,49.71 v1(194.73,50.05) ; 170.3,62.77 170.37,62.7 v1(170.83,62.7) IC1#11.1 ; 160.64,63.1 161.36,63.81 162.4,63.81 ; 170.26,50.2 v1(169.91,50.54) ; 173.98,51.24 173.21,50.47 v1(173.09,50.47) 173.08,50.48 172.96,50.48 ; 169.92,52.48 171.03,52.48 171.84,53.29 IC1#11.52 171.84,54.65 IC1#11.11 174.34,54.7 v1(174.59,54.95) IC1#11.14 ; U5#12.5 170.38,89.55 v1(170.5,89.42) ; 187.65,93.51 186.53,93.51 185.72,92.7 IC1#16.52 185.72,91.34 IC1#16.11 183.22,91.29 v1(182.97,91.05) IC1#16.14 ; 187.27,83.22 187.19,83.29 v1(186.73,83.29) IC1#16.1 ; 187.27,82.05 186.98,82.34 IC1#16.53 185.72,84.04 IC1#16.2 v1(183.97,84.09) 182.97,84.09 ; v1(162.88,96.66) 163.26,96.28 U2#16.2 163.17,96.28 v1(162.84,95.94) ; 195.17,82.18 196.21,82.18 196.92,82.89 ; 173.45,95.26 R9#16.1 173.42,94.75 173.14,94.47 C2#16.2 173.82,93.06 IC1#16.51 ; 183.58,94.75 184.35,95.52 v1(184.47,95.52) 184.48,95.52 184.6,95.52 ; 187.31,95.79 v1(187.65,95.45) ; 3.9,32.24 4.19,31.95 IC1#18.53 5.44,30.25 IC1#18.2 v1(7.19,30.2) 8.19,30.2 ; U5#18.5 20.79,24.75 v1(20.66,24.87) ; IC1#18.51 17.34,21.23 C2#19.2 18.02,19.82 17.74,19.54 R9#18.1 17.71,19.03 ; v1(28.28,17.63) 27.9,18.01 27.18,18.01 27.99,18.01 v1(28.33,18.35) ; 3.9,31.07 3.97,31 v1(4.43,31) IC1#18.1 ; 3.52,20.78 4.63,20.78 5.44,21.59 IC1#18.52 5.44,22.95 IC1#18.11 7.94,23 v1(8.19,23.25) IC1#18.14 ; -4,32.11 -5.04,32.11 -5.76,31.4 ; 3.86,18.5 v1(3.51,18.84) ; 7.58,19.54 6.81,18.77 v1(6.69,18.77) 6.68,18.78 6.56,18.78 ; v1(76.46,24.27) 76.59,24.15 U5#20.5 ; v1(84.08,17.03) 83.7,17.41 U2#19.2 83.79,17.41 v1(84.13,17.75) ; IC1#20.51 73.14,20.63 C2#20.2 73.82,19.22 73.54,18.94 R9#20.1 73.51,18.43 ; 63.38,18.94 62.61,18.17 v1(62.49,18.17) 62.48,18.18 62.36,18.18 ; 59.7,30.47 59.77,30.4 v1(60.23,30.4) IC1#20.1 ; 63.99,29.6 v1(62.99,29.6) IC1#20.2 61.24,29.65 IC1#20.53 59.99,31.35 59.7,31.64 ; IC1#20.14 v1(63.99,22.65) 63.74,22.4 IC1#20.11 61.24,22.35 IC1#20.52 61.24,20.99 60.43,20.18 59.32,20.18 ; 50.05,30.8 50.76,31.51 51.8,31.51 ; 59.66,17.9 v1(59.31,18.24) ; IC1#17.51 128.54,20.83 C2#17.2 129.22,19.42 128.94,19.14 R9#17.1 128.91,18.63 ; v1(131.86,24.47) 131.99,24.34 U5#17.5 ; 115.1,31.84 115.39,31.55 IC1#17.53 116.64,29.85 IC1#17.2 v1(118.39,29.8) 119.39,29.8 ; v1(139.53,17.95) 139.19,17.61 U2#20.2 139.1,17.61 v1(139.48,17.23) ; 114.72,20.38 115.83,20.38 116.64,21.19 IC1#17.52 116.64,22.55 IC1#17.11 119.14,22.6 v1(119.39,22.85) IC1#17.14 ; 115.06,18.1 v1(114.71,18.44) ; 105.45,31 106.16,31.71 107.2,31.71 ; 115.1,30.68 115.17,30.6 v1(115.64,30.6) IC1#17.1 ; 118.78,19.14 118.01,18.37 v1(117.89,18.37) 117.88,18.38 117.76,18.38 ; IC1#19.51 184.34,20.23 C2#18.2 185.02,18.82 184.74,18.54 R9#19.1 184.71,18.03 ; U5#19.5 187.79,23.75 v1(187.66,23.87) ; v1(195.28,16.63) 194.9,17.01 U2#18.2 194.99,17.01 v1(195.33,17.35) ; IC1#19.1 v1(171.44,30) 170.97,30 170.9,30.07 ; 163,31.11 161.96,31.11 161.25,30.4 ; 170.9,31.24 171.19,30.95 IC1#19.53 172.44,29.25 IC1#19.2 v1(174.19,29.2) 175.19,29.2 ; 174.58,18.54 173.81,17.77 v1(173.69,17.77) 173.68,17.78 173.56,17.78 ; 170.52,19.78 171.63,19.78 172.44,20.59 IC1#19.52 172.44,21.95 IC1#19.11 174.94,22 v1(175.19,22.25) IC1#19.14 ; 170.86,17.5 v1(170.51,17.84) ; IC1#22.51 184.64,-11.77 C2#21.2 185.32,-13.18 185.04,-13.46 R9#22.1 185.01,-13.97 ; 115.4,-1.32 115.47,-1.4 v1(115.93,-1.4) IC1#23.1 ; 129.21,-13.37 R9#23.1 129.24,-12.86 129.52,-12.58 C2#23.2 128.84,-11.17 IC1#23.51 ; 119.69,-2.2 v1(118.69,-2.2) IC1#23.2 116.94,-2.15 IC1#23.53 115.69,-0.45 115.4,-0.16 ; 119.08,-12.86 118.31,-13.63 v1(118.19,-13.63) 118.18,-13.62 118.06,-13.62 ; 107.5,-0.29 106.46,-0.29 105.74,-1 ; IC1#23.14 v1(119.69,-9.15) 119.44,-9.4 IC1#23.11 116.94,-9.45 IC1#23.52 116.94,-10.81 116.13,-11.62 115.02,-11.62 ; v1(132.16,-7.53) 132.29,-7.66 U5#23.5 ; v1(139.83,-14.05) 139.49,-14.39 U2#24.2 139.4,-14.39 v1(139.78,-14.77) ; 115.36,-13.9 v1(115.01,-13.56) ; U5#22.5 188.09,-8.25 v1(187.96,-8.13) ; U5#21.5 21.09,-7.25 v1(20.96,-7.13) ; 4.2,0.24 4.49,-0.05 IC1#21.53 5.74,-1.75 IC1#21.2 v1(7.49,-1.8) 8.49,-1.8 ; v1(28.58,-14.37) 28.2,-13.99 U2#21.2 28.29,-13.99 v1(28.63,-13.65) ; 4.2,-0.93 4.27,-1 v1(4.73,-1) IC1#21.1 ; 3.82,-11.22 4.93,-11.22 5.74,-10.41 IC1#21.52 5.74,-9.05 IC1#21.11 8.24,-9 v1(8.49,-8.75) IC1#21.14 ; IC1#21.51 17.64,-10.77 C2#22.2 18.32,-12.18 18.04,-12.46 R9#21.1 18.01,-12.97 ; 4.16,-13.5 v1(3.81,-13.16) ; -5.46,-0.6 -4.74,0.11 -3.7,0.11 ; 7.88,-12.46 7.11,-13.23 v1(6.99,-13.23) 6.98,-13.22 6.86,-13.22 ; v1(76.76,-7.73) 76.89,-7.85 U5#24.5 ; v1(84.38,-14.97) 84,-14.59 U2#23.2 84.09,-14.59 v1(84.43,-14.25) ; 63.68,-13.06 62.91,-13.83 v1(62.79,-13.83) 62.78,-13.82 62.66,-13.82 ; IC1#24.51 73.44,-11.37 C2#24.2 74.12,-12.78 73.84,-13.06 R9#24.1 73.81,-13.57 ; 60,-1.53 60.07,-1.6 v1(60.53,-1.6) IC1#24.1 ; 60,-0.36 60.29,-0.65 IC1#24.53 61.54,-2.35 IC1#24.2 v1(63.29,-2.4) 64.29,-2.4 ; IC1#24.14 v1(64.29,-9.35) 64.04,-9.6 IC1#24.11 61.54,-9.65 IC1#24.52 61.54,-11.01 60.73,-11.82 59.62,-11.82 ; 59.96,-14.1 v1(59.61,-13.76) ; 52.1,-0.49 51.06,-0.49 50.34,-1.2 ; v1(195.58,-15.37) 195.2,-14.99 U2#22.2 195.29,-14.99 v1(195.63,-14.65) ; 171.2,-1.93 171.27,-2 v1(171.74,-2) IC1#22.1 ; 161.55,-1.6 162.26,-0.89 163.3,-0.89 ; 174.88,-13.46 174.11,-14.23 v1(173.99,-14.23) 173.98,-14.22 173.86,-14.22 ; 171.2,-0.76 171.49,-1.05 IC1#22.53 172.74,-2.75 IC1#22.2 v1(174.49,-2.8) 175.49,-2.8 ; 170.82,-12.22 171.93,-12.22 172.74,-11.41 IC1#22.52 172.74,-10.05 IC1#22.11 175.24,-10 v1(175.49,-9.75) IC1#22.14 ; 171.16,-14.5 v1(170.81,-14.16)